# KiCad board EBAZ4205.kicad_pcb (continued)
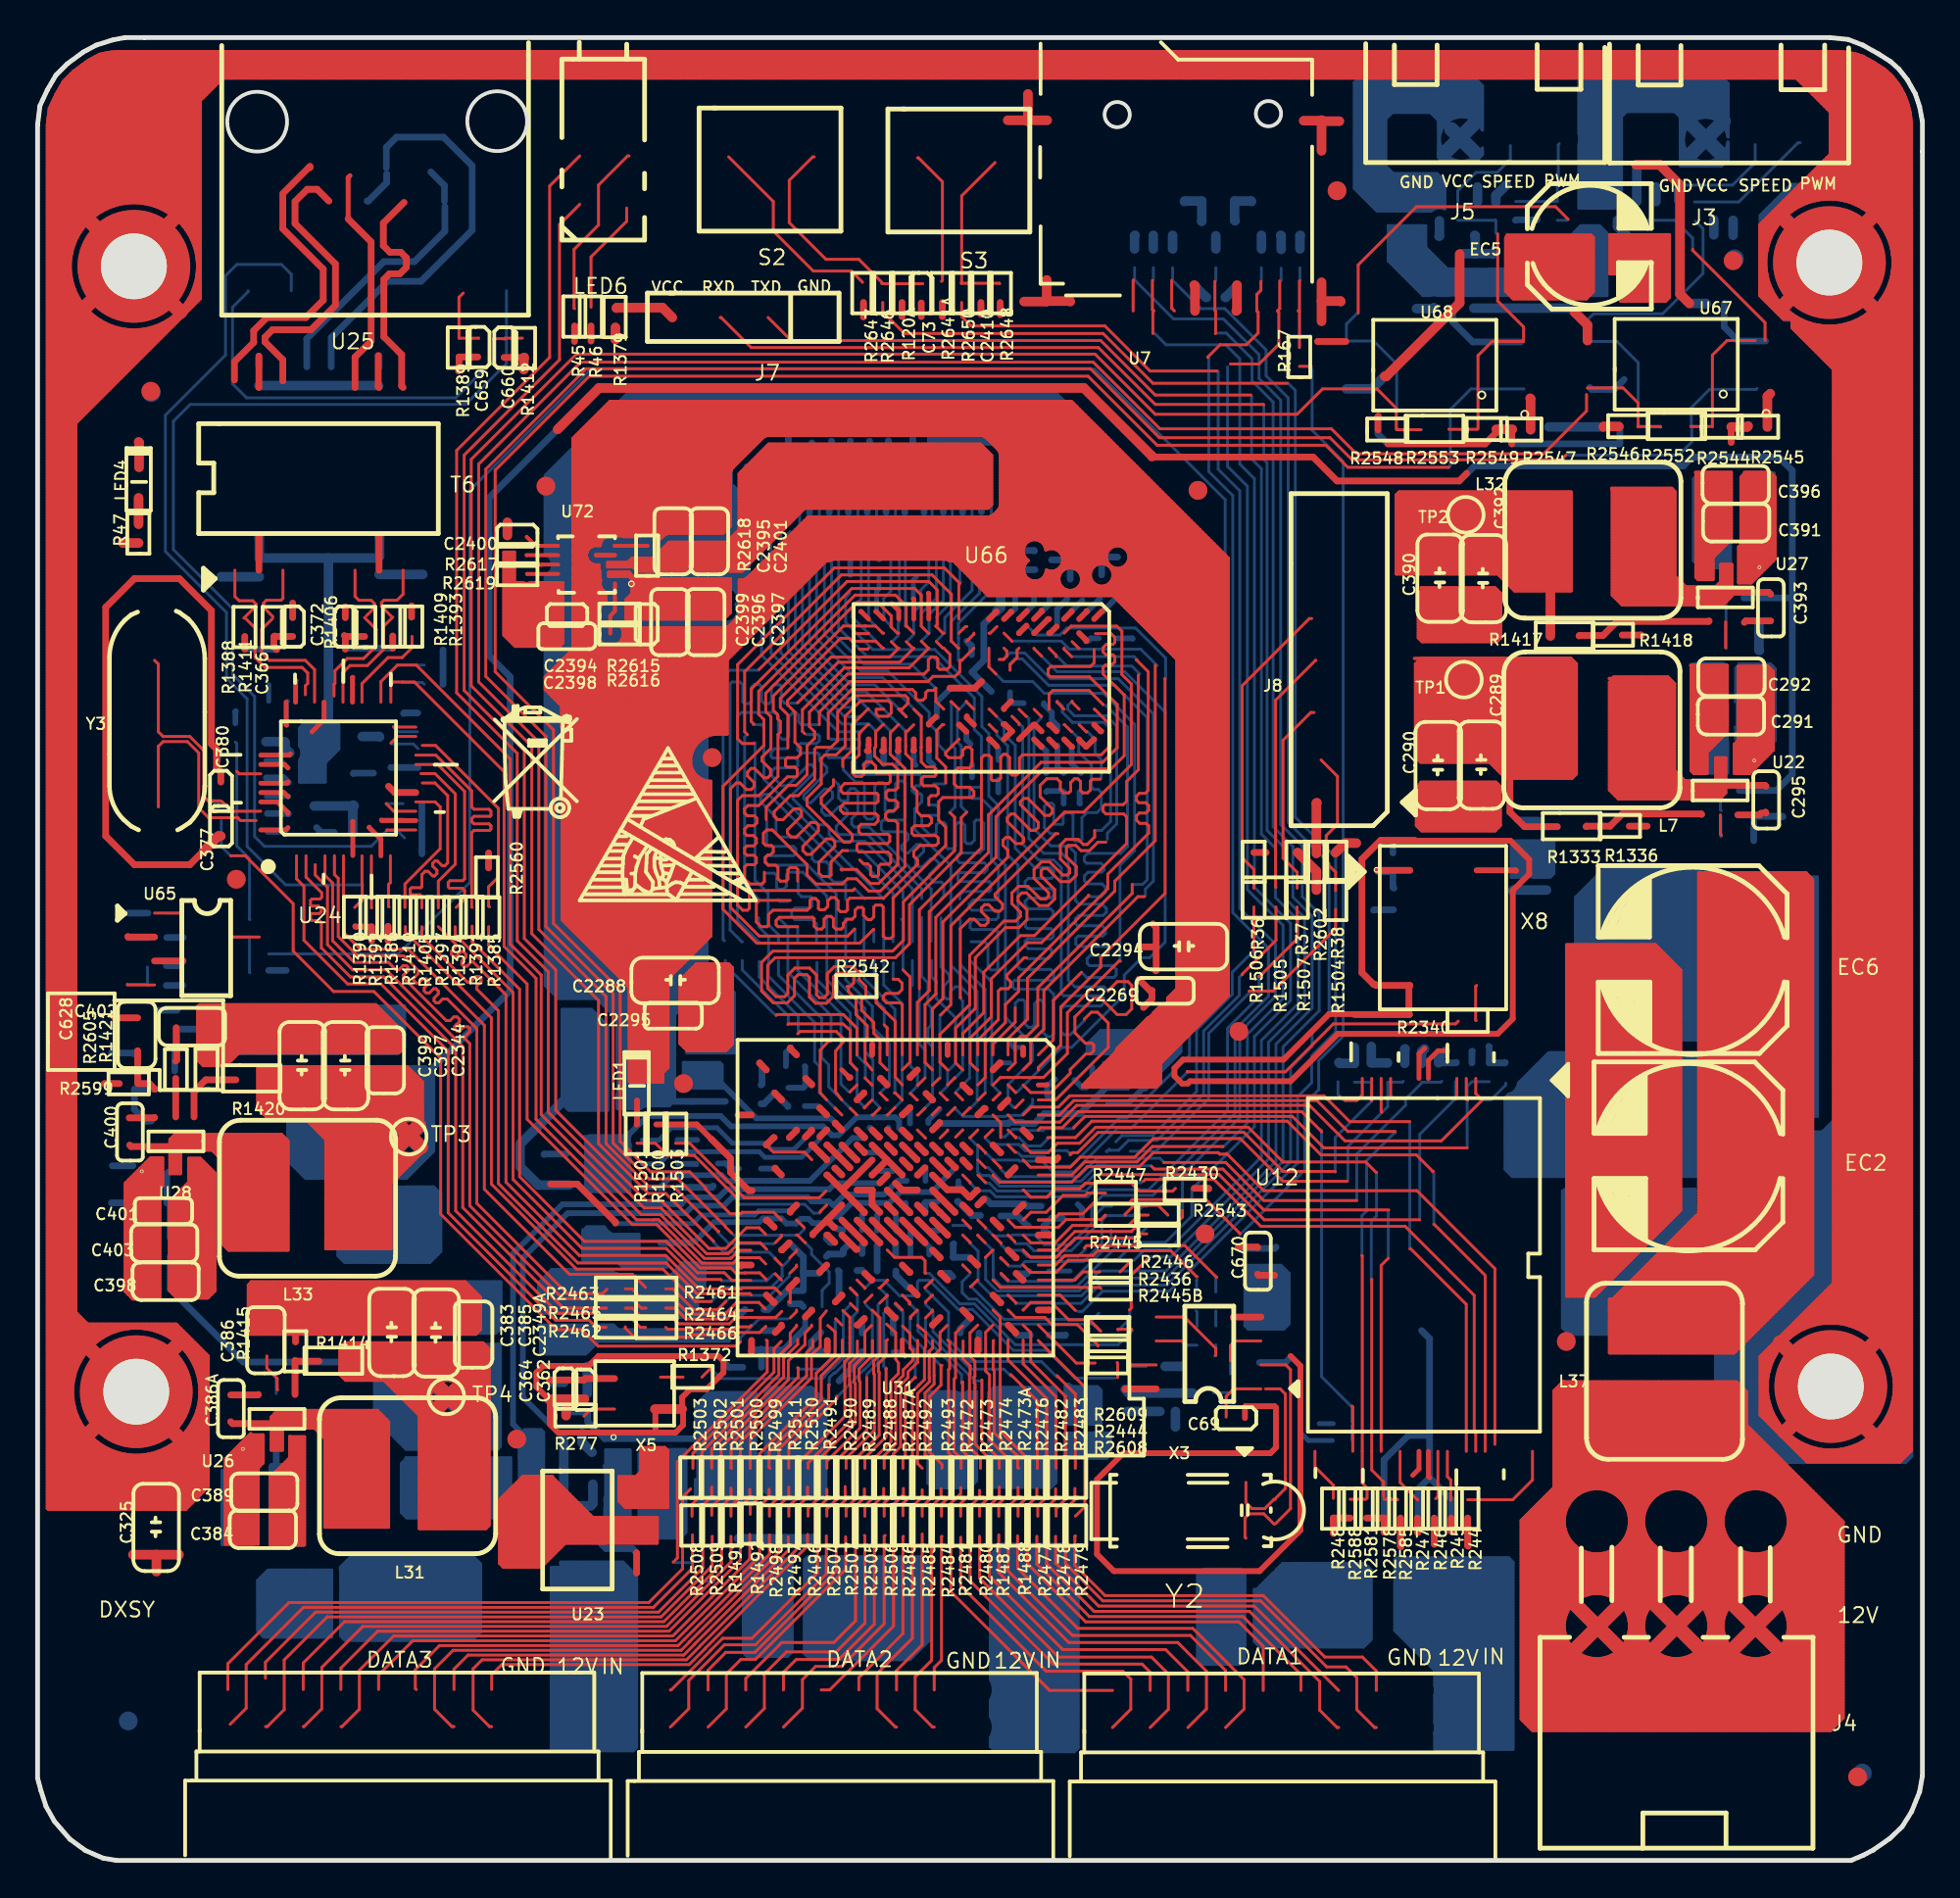
[diagram p0: board, top side]
## Routing (per net, layer and track width the routed paths; a pad name or vN(x,y) marks a point on that pad's centre or on a via; arc(x,y) is an arc through that point) (continued)
; 24.59,19.17 28.61,19.17 ; 18.56,25.45 18.56,27.54 ; 91.71,58.47 91.71,63.56 ; 33,70.38 33.16,70.38 ; 15.3,18.56 18.67,18.56 ; 55.44,67.33 55.44,67.84 ; 81.81,6.92 81.81,11.18 ; 39.13,69.62 52.45,69.62 ; 17.65,28.02 17.65,30.79 ; 88.4,38.83 94.45,38.83 ; 81.38,38.07 87.43,38.07 ; 60.59,63.98 63.36,63.98 ; 87.75,66.83 87.75,67.78 ; 10,19.48 11.72,19.48 ; 54.38,69.66 54.38,77.65 ; 28.49,67.48 30.23,67.48 ; 4.67,30.45 6.5,30.45 ; 81.38,31.36 84.18,31.36 ; 73.38,56.97 77.83,56.97 ; 8.05,36.85 9.16,36.85 ; 28.03,49.96 35.82,49.96 ; 15.21,28.02 15.21,30.79 ; 78.91,83.13 78.91,86.5 ; 90.65,27.39 90.65,52.56 ; 13.23,42.99 13.23,45.54 ; 88.4,40.66 94.45,40.66 ; 30.45,70.52 30.45,77.64 ; 91.56,28.3 91.56,52.56 ; 9.9,36.24 13.32,36.24 ; 81.38,45.23 87.43,45.23 ; 15.35,33.04 18.79,33.04 ; 49.19,75.86 49.19,77.65 ; 88.06,19.57 88.06,25.47 ; 59.86,42.54 59.86,45.56 ; 12.92,16.79 12.92,20.92 ; 31.39,67.18 36.87,67.18 ; 34.19,45.84 36.97,45.84 ; 91.87,14.16 91.87,16.36 ; 24.82,67.64 27.94,67.64 ; 10,21.31 12,21.31 ; 93.09,6.92 93.09,11.94 ; 86.09,32.13 94.45,32.13 ; 83.98,19.48 86.2,19.48 ; 87.45,56.51 87.45,57.66 ; 80.74,6.92 80.74,25.03 ; 15.35,37.16 19.91,37.16 ; 47.21,75.86 47.21,77.65 ; 88.25,68.4 89.15,68.4 ; 60.63,58.95 63.36,58.95 ; 60.63,61.84 63.36,61.84 ; 47.82,75.86 47.82,77.65 ; 19.2,24.81 20.92,24.81 ; 30.45,68.86 30.45,69.08 ; 80.13,57.61 80.13,63.98 ; 17.04,28.02 17.04,30.79 ; 15.35,33.65 18.79,33.65 ; 20.12,23.9 21.37,23.9 ; 57.58,66.99 57.58,68.77 ; 30.23,66.95 30.23,67.49 ; 57.96,69.01 63.36,69.01 ; 20.32,18.87 24.02,18.87 ; 56.36,41.17 56.36,41.99 ; 80.7,21.61 92.48,21.61 ; 80.59,67.58 80.59,72.83 ; 24.82,69.01 25.37,69.01 ; 57.39,67.18 63.36,67.18 ; 28.49,65.5 29.81,65.5 ; 20.7,28.02 20.7,30.79 ; 29.08,16.89 29.08,18.71 ; 34.11,47.5 34.11,65.6 ; 27.89,60.93 36.69,60.93 ; 37.91,68.4 41.18,68.4 ; 51.79,67.33 51.79,77.65 ; 42.95,75.86 42.95,77.65 ; 88.06,66.83 88.06,67.78 ; 85.16,83 85.16,86.53 ; 82.87,6.92 82.87,10.73 ; 13.42,21.61 14.2,21.61 ; 13.53,23.02 13.53,23.94 ; 11.4,16.84 11.4,22.64 ; 85.31,83 85.31,86.53 ; 30.91,16.89 30.91,18.24 ; 34.11,68.63 34.11,70.16 ; 16.89,42.99 16.89,45.54 ; 73.33,62.61 81.88,62.61 ; 4.67,32.13 6.5,32.13 ; 37.35,67.18 39.96,67.18 ; 35.48,59.77 35.48,65.6 ; 92.17,69 92.17,73.88 ; 10.18,16.84 10.18,21.55 ; 38.07,65.29 38.07,68.55 ; 81.38,38.68 87.43,38.68 ; 28.49,69.31 29.23,69.31 ; 31.49,45.08 33.54,45.08 ; 91.71,14.19 91.71,16.33 ; 38.98,70.15 38.98,75.38 ; 26.03,64.63 26.03,67.96 ; 81.38,44.32 87.43,44.32 ; 88.4,43.4 94.45,43.4 ; 5.76,29.89 5.76,37.13 ; 72.31,70.23 81.6,70.23 ; 36.39,43.11 36.39,47.71 ; 88.13,57.88 88.83,57.88 ; 9.9,35.63 13.32,35.63 ; 60.63,52.09 63.36,52.09 ; 83.48,30.67 83.48,48.74 ; 36.92,65.81 38.59,65.81 ; 83.68,86.38 86.83,86.38 ; 46.45,71.98 46.45,75.38 ; 86.23,56.51 86.23,62.98 ; 88.4,52.4 94.27,52.4 ; 16.43,25.57 16.43,27.54 ; 72.82,68.48 72.82,72.83 ; 73.61,57.38 77.6,57.38 77.83,57.16 77.83,55.09 77.55,54.81 73.66,54.81 73.38,55.09 73.38,57.08 73.66,57.36 ; 86.08,27.02 86.08,32.11 ; 17.19,17.74 17.19,23.94 ; 81.38,36.09 87.43,36.09 ; 20.39,39.17 20.39,41.52 ; 88.93,17.8 89.7,17.8 ; 84.11,30.14 93.4,30.14 ; 44.47,75.86 44.47,77.65 ; 31.49,45.99 33.54,45.99 ; 47.67,75.86 47.67,77.65 ; 48.43,69.23 48.43,71.5 ; 88.25,70.84 90.13,70.84 ; 46.15,71.98 46.15,75.38 ; 44.77,71.98 44.77,75.38 ; 31.67,41.44 31.67,65.6 ; 50.44,67.48 63.36,67.48 ; 60.62,63.94 60.62,72.04 ; 8.05,37.16 8.86,37.16 ; 90.53,68.09 91.26,68.09 ; 10,18.56 11.72,18.56 ; 11.72,40.36 20.47,40.36 ; 78.95,7.89 96.08,7.89 ; 60.63,55.75 63.36,55.75 ; 17.95,42.99 17.95,45.54 ; 13.53,39.49 13.53,42.24 ; 86.08,33.26 86.08,48.74 ; 91.1,6.92 91.1,10.76 ; 12.4,18.26 14.2,18.26 ; 92.17,58.93 92.17,63.46 ; 27.92,51.33 35.82,51.33 ; 81.5,57.61 81.5,63.98 ; 4.67,31.06 6.5,31.06 ; 29.38,16.89 29.38,18.4 ; 44.77,75.86 44.77,77.65 ; 73.27,63.98 81.58,63.98 ; 60.63,61.23 63.36,61.23 ; 60.63,46.45 63.36,46.45 ; 90.65,70.84 92.45,70.84 ; 82.87,30.06 82.87,48.74 ; 43.56,71.98 43.56,75.38 ; 59.41,41.17 59.41,45.13 ; 20.32,22.37 24.02,22.37 ; 85.77,83 85.77,86.53 ; 30.6,16.89 30.6,18.24 ; 31.38,46.6 33.54,46.6 ; 84.61,11.86 85.57,11.86 ; 90.65,71.14 92.45,71.14 ; 84.69,12.77 85.48,12.77 ; 32.13,18.79 32.13,21.97 ; 88.29,13.84 90.34,13.84 ; 81.66,57.61 81.66,63.91 ; 28.49,75.26 38.11,75.26 ; 27.92,54.99 35.82,54.99 ; 20.32,19.93 24.02,19.93 ; 91.1,68.01 91.1,73.88 ; 27.92,54.38 35.82,54.38 ; 81.38,31.67 84.48,31.67 ; 27.92,57.88 34.94,57.88 ; 36.39,66.08 36.39,68.21 ; 17.95,28.02 17.95,30.79 ; 13.42,22.07 14.2,22.07 ; 60.63,54.53 63.36,54.53 ; 15.51,42.99 15.51,45.54 ; 83.8,72.66 87.13,72.66 ; 37.23,66.11 38.89,66.11 ; 83.81,10.94 86.37,10.94 ; 81.96,30.04 81.96,48.74 ; 35.17,70.64 35.17,77.65 ; 8.52,44.17 19.37,44.17 ; 84.25,83.48 86.83,83.48 ; 55.4,67.79 63.36,67.79 ; 37.35,66.57 39.35,66.57 ; 73.42,58.64 81.88,58.64 ; 34.19,44.62 36.97,44.62 ; 38.52,69.01 41.79,69.01 ; 85.47,83 85.47,86.53 ; 28.49,75.1 37.95,75.1 ; 60.63,49.19 63.36,49.19 ; 90.95,6.92 90.95,10.8 ; 30.94,19.63 33.52,19.63 ; 6.52,35.79 6.52,37.39 ; 24.59,18.71 29.07,18.71 ; 24.82,66.11 27.94,66.11 ; 32.58,68.63 32.58,69.31 ; 91.1,57.86 91.1,63.56 ; 40.81,71.98 40.81,75.38 ; 60.14,45.84 63.16,45.84 ; 51.01,71.75 60.92,71.75 ; 27.92,56.36 35.82,56.36 ; 48.76,69.16 52.67,69.16 ; 16.73,17.74 16.73,23.94 ; 12.62,16.79 12.62,20.62 ; 83.8,69.62 87.13,69.62 ; 78.95,8.2 96.08,8.2 ; 53,70.31 53,77.65 ; 81.38,37.31 87.43,37.31 ; 31.97,66.08 31.97,68.21 ; 39.59,66.81 39.59,70.08 ; 42.49,75.86 42.49,77.65 ; 10.94,42.99 10.94,45.54 ; 89.3,57.88 89.83,57.88 ; 20.32,18.56 24.02,18.56 ; 87.9,6.92 87.9,10.88 ; 88.9,17.65 89.73,17.65 ; 24.59,15.97 27.14,15.97 ; 26.64,15.62 26.64,20.44 ; 11.35,22.64 12,22.64 12,21.17 11.72,20.89 11.72,16.84 10,16.84 10,21.37 11.35,22.72 ; 19.93,37.18 19.93,37.62 ; 83.8,70.07 87.13,70.07 ; 87.75,56.51 87.75,57.46 ; 92.29,13.99 96.08,13.99 ; 49.98,67.94 54.4,67.94 ; 36.55,43.11 36.55,47.71 ; 81.38,46.6 87.43,46.6 ; 84.4,31.59 84.4,48.74 ; 8.96,42.31 8.96,45.54 ; 15.35,34.26 18.79,34.26 ; 88,63.06 89.9,63.06 ; 13.42,22.22 14.2,22.22 ; 16.89,28.02 16.89,30.79 ; 15.3,22.22 18.67,22.22 ; 7.02,35.02 9.42,35.02 ; 90.95,68.01 90.95,73.88 ; 81.96,6.92 81.96,11.06 ; 86.08,83 86.08,86.53 ; 18.71,32.57 18.71,42.24 ; 88.59,13.53 90.04,13.53 ; 91.1,27.85 91.1,52.56 ; 12.4,20.24 14.2,20.24 ; 90.65,73.27 92.45,73.27 ; 85.48,31.52 94.45,31.52 ; 86.99,34.18 86.99,47.82 ; 30.3,47.69 30.3,64.63 ; 88.21,27.02 88.21,34.25 ; 90.53,68.7 91.87,68.7 ; 86.23,33.42 86.23,48.59 ; 88,62.45 89.9,62.45 ; 88.4,39.9 94.45,39.9 ; 32.89,16.89 32.89,18.24 ; 85.47,12.65 85.47,17.87 ; 50.87,67.33 50.87,71.61 ; 12.4,18.41 14.2,18.41 ; 5.15,29.89 5.15,36.52 ; 84.71,12.62 85.46,12.62 ; 25.16,64.89 27.94,64.89 ; 24.82,68.24 25.37,68.24 ; 28.49,72.36 36.86,72.36 ; 60.63,51.02 63.36,51.02 ; 78.25,67.94 81.6,67.94 ; 40.36,71.52 40.36,75.38 ; 88.25,70.99 90.13,70.99 ; 60.63,53.46 63.36,53.46 ; 80.7,24.35 90.93,24.35 ; 58.3,66.26 63.36,66.26 ; 30.94,19.48 33.52,19.48 ; 34.87,66.08 34.87,68.21 ; 18.87,36.11 18.87,42.24 ; 79.52,67.58 79.52,72.83 ; 29.84,65.58 29.84,66.02 ; 10,20.09 11.72,20.09 ; 81.38,34.26 87.07,34.26 ; 83.8,68.24 87.24,68.24 ; 73.33,61.39 81.88,61.39 ; 77.39,54.81 77.39,57.38 ; 58.19,66.38 58.19,74.48 ; 15.36,42.99 15.36,45.54 ; 81.38,44.93 87.43,44.93 ; 59.37,65.2 63.36,65.2 ; 73.33,60.17 81.88,60.17 ; 12.4,18.11 14.2,18.11 ; 27.92,59.56 35.19,59.56 ; 28.62,16.89 28.62,19.17 ; 31.49,43.71 33.54,43.71 ; 84.25,19.24 84.25,25.47 ; 80.7,19.93 94.16,19.93 ; 90.5,61.69 92.35,61.69 ; 59.71,41.36 59.71,45.43 ; 31.36,68.86 31.36,69.08 ; 7.02,35.17 9.42,35.17 ; 88.25,69.77 89.56,69.77 ; 88,59.41 89.25,59.41 ; 78.46,83.2 78.46,86.5 ; 59.22,65.35 63.36,65.35 ; 15.51,32.57 15.51,42.24 ; 82.57,83.29 82.57,86.5 ; 84.21,11.25 85.96,11.25 ; 81.38,31.82 84.63,31.82 ; 28.49,72.51 36.86,72.51 ; 30.75,70.52 30.75,77.65 ; 4.97,29.99 6.5,29.99 ; 84.09,56.54 84.09,62.98 ; 40.05,70.53 62.13,70.53 ; 83.95,29.99 93.25,29.99 ; 81.38,32.28 85.09,32.28 ; 51.48,67.33 51.48,77.65 ; 88,61.54 89.9,61.54 ; 7.02,33.19 9.42,33.19 ; 60.63,53.16 63.36,53.16 ; 86.68,66.83 86.68,73.03 ; 88.4,47.98 94.45,47.98 ; 37.34,72.66 50.76,72.66 ; 74.95,54.81 74.95,57.38 ; 42.03,75.86 42.03,77.65 ; 88.4,35.33 94.45,35.33 ; 56.05,41.17 56.05,41.69 ; 13.08,28.02 13.08,30.79 ; 90.5,60.17 92.35,60.17 ; 90.3,59.41 92.35,59.41 ; 10,20.39 11.72,20.39 ; 28.51,68.09 29.94,68.09 ; 80.44,83.13 80.44,86.5 ; 32.09,21.97 33.37,21.97 33.52,21.82 33.52,18.79 31.29,18.79 30.94,19.14 30.94,20.42 31.84,20.42 32.12,20.69 32.12,21.92 ; 53.46,70.15 53.46,77.65 ; 90.49,19.52 90.49,25.37 ; 81.38,37.46 87.43,37.46 ; 22.98,28.02 22.98,30.55 ; 80.7,24.96 90.91,24.96 ; 45.69,71.98 45.69,75.38 ; 27.92,53.92 35.82,53.92 ; 36.74,65.65 38.44,65.65 ; 28.32,49.67 28.32,64.28 ; 85.17,31.21 94.45,31.21 ; 81.38,41.27 87.43,41.27 ; 59.56,41.21 59.56,45.28 ; 81.05,67.58 81.05,72.83 ; 73.67,64.89 77.66,64.89 ; 74.34,68.48 74.34,72.83 ; 59.25,41.17 59.25,44.94 ; 4.67,35.33 6.5,35.33 ; 13.99,16.79 13.99,22.54 ; 76.78,54.81 76.78,57.38 ; 90.65,70.23 92.45,70.23 ; 83.79,14.02 83.79,16.51 ; 88.4,49.19 94.45,49.19 ; 79.5,6.98 95.46,6.98 ; 88.4,35.48 94.45,35.48 ; 37.31,68.63 37.31,70.8 ; 38.53,75.67 38.53,77.65 ; 82.11,30.04 82.11,48.74 ; 93.7,6.92 93.7,20.4 ; 88.4,34.56 94.45,34.56 ; 28.49,64.74 30.07,64.74 ; 73.27,68.48 73.27,72.83 ; 15.3,21.92 18.67,21.92 ; 7.02,30.45 9.42,30.45 ; 16.1,26.03 24.02,26.03 ; 83.65,59.1 87.1,59.1 ; 27.92,50.57 35.82,50.57 ; 73.48,65.5 77.85,65.5 ; 73.38,56.81 77.83,56.81 ; 38.33,74.8 50.74,74.8 ; 91.1,19.76 91.1,22.99 ; 39.14,75.86 39.14,77.65 ; 11.22,30.14 23.39,30.14 ; 10.7,22.07 12,22.07 ; 12.01,32.49 12.01,38.64 ; 7.02,32.43 9.42,32.43 ; 90.65,72.05 92.45,72.05 ; 44.93,71.98 44.93,75.38 ; 46.15,69.27 46.15,71.5 ; 15.3,20.7 18.67,20.7 ; 81.38,35.02 87.43,35.02 ; 83.65,60.47 87.1,60.47 ; 32.12,21.61 33.52,21.61 ; 35.17,66.08 35.17,68.21 ; 79.57,18.71 81.36,18.71 ; 7.02,34.72 9.42,34.72 ; 60.63,51.63 63.36,51.63 ; 27.1,64.63 27.1,68.01 ; 29.71,48.28 34.88,48.28 ; 90.49,57.86 90.49,59.6 ; 73.33,61.69 81.88,61.69 ; 29.23,69.64 29.23,76.42 ; 85.92,19.24 85.92,25.47 ; 88.4,36.7 94.45,36.7 ; 32.28,66.08 32.28,68.21 ; 9.9,33.19 13.32,33.19 ; 82.11,19.57 82.11,25.47 ; 60.63,58.8 63.36,58.8 ; 82.42,83.14 82.42,86.5 ; 78.13,86.08 82.78,86.08 ; 7.05,38.07 13.32,38.07 ; 32.58,70.63 32.58,77.65 ; 76.02,54.81 76.02,57.38 ; 31.06,16.89 31.06,18.24 ; 32.13,66.08 32.13,68.21 ; 30.78,47.21 33.82,47.21 ; 5.91,29.89 5.91,37.28 ; 81.38,47.06 87.43,47.06 ; 40.96,71.45 61.22,71.45 ; 21.61,25.55 21.61,27.54 ; 12.47,28.02 12.47,30.79 ; 20.32,19.32 24.02,19.32 ; 58.03,66.53 58.03,69.13 ; 8.52,43.71 19.42,43.71 ; 11.72,40.97 20.47,40.97 ; 72.31,72.66 81.6,72.66 ; 38.07,68.55 41.33,68.55 ; 4.67,32.89 6.5,32.89 ; 74.49,54.81 74.49,57.38 ; 87,33.04 94.45,33.04 ; 83.8,70.84 87.13,70.84 ; 9.27,37.81 9.27,38.64 ; 92.78,6.92 92.78,11.38 ; 51.21,74.95 57.71,74.95 ; 89.89,6.92 89.89,11.66 ; 89.31,67.79 90.15,67.79 ; 51.02,75.2 51.02,77.65 ; 51.24,72.36 60.31,72.36 ; 88.82,13.12 88.82,17.4 ; 50.11,67.81 50.11,71.5 ; 81.38,40.97 87.43,40.97 ; 90.49,27.24 90.49,52.56 ; 10.64,16.84 10.64,22.01 ; 8.66,42.48 8.66,45.54 ; 28.49,73.43 36.86,73.43 ; 31.82,18.79 31.82,20.42 ; 41.57,71.98 41.57,75.38 ; 80.7,22.83 91.27,22.83 ; 10,17.65 11.72,17.65 ; 9.57,42.31 9.57,45.54 ; 88.4,45.99 94.45,45.99 ; 60.63,54.38 63.36,54.38 ; 53.48,68.24 54.34,68.24 ; 83.68,85.01 86.83,85.01 ; 20.3,37.76 20.47,37.76 ; 8.05,37.31 8.7,37.31 ; 22.29,25.42 24.02,25.42 ; 93.02,17.34 96.08,17.34 ; 83.65,27.86 91.12,27.86 ; 19.63,39.37 19.63,42.24 ; 76.93,58.46 76.93,63.98 ; 16.28,28.02 16.28,30.79 ; 54.55,69.31 56.87,69.31 ; 24.82,68.09 25.37,68.09 ; 17.19,42.99 17.19,45.54 ; 31.06,68.36 31.06,68.56 ; 88.4,41.73 94.45,41.73 ; 35.48,70.64 35.48,77.65 ; 42.18,69.22 42.18,71.5 ; 28.62,49.37 28.62,75.81 ; 8.52,45.08 18.45,45.08 ; 89.3,58.03 89.83,58.03 ; 8.5,37.81 8.5,38.64 ; 7.21,38.53 13.08,38.53 ; 24.82,67.33 27.94,67.33 ; 13.38,42.99 13.38,45.54 ; 79.22,57.61 79.22,63.98 ; 84.7,17.8 85.47,17.8 ; 80.28,67.58 80.28,72.83 ; 28.49,65.04 29.83,65.04 ; 13.69,16.79 13.69,22.54 ; 38.37,68.85 41.64,68.85 ; 72.66,68.48 72.66,72.83 ; 84.64,18.56 85.53,18.56 ; 53.16,67.33 53.16,68.1 ; 87.45,19.78 87.45,25.47 ; 24.59,19.02 28.77,19.02 ; 27.92,53.46 35.82,53.46 ; 29.99,16.89 29.99,18.24 ; 74.04,54.81 74.04,57.38 ; 27.92,54.53 35.82,54.53 ; 78.95,13.69 81.72,13.69 ; 88,60.47 89.9,60.47 ; 31.67,68.86 31.67,69.31 ; 78.95,15.21 96.08,15.21 ; 91.56,58.32 91.56,63.56 ; 19.87,37.61 20.37,37.61 ; 88.72,17.19 89.91,17.19 ; 5.79,37.16 6.65,37.16 ; 83.8,69.77 87.13,69.77 ; 81.38,31.97 84.79,31.97 ; 7.05,37 7.6,37 ; 81.38,37.92 87.43,37.92 ; 32.12,20.85 33.52,20.85 ; 83.8,71.75 87.13,71.75 ; 21.76,17.67 21.76,23.79 ; 19.78,39.39 19.78,42.13 ; 93.17,18.11 95.99,18.11 ; 20.32,19.02 24.02,19.02 ; 12.62,42.99 12.62,45.54 ; 51.24,72.18 51.24,74.78 ; 51.24,72.82 59.85,72.82 ; 90.65,68.01 90.65,70.03 ; 9.8,37.31 13.32,37.31 ; 36.55,70.72 36.55,77.65 ; 40.51,71.67 40.51,75.38 ; 88,59.71 89.55,59.71 ; 37.34,71.14 39.97,71.14 ; 15.35,38.22 18.95,38.22 ; 83.8,67.94 87.54,67.94 ; 28.52,69.46 29.2,69.46 ; 73.48,65.35 77.85,65.35 ; 93.24,29.98 93.24,52.56 ; 36.89,70.38 39.21,70.38 ; 84.55,83 84.55,86.53 ; 52.55,67.33 52.55,68.39 ; 46.3,71.98 46.3,75.38 ; 42.18,75.86 42.18,77.65 ; 30.3,70.49 30.3,77.48 ; 32.74,16.89 32.74,18.24 ; 29.69,16.89 29.69,18.24 ; 41.12,75.86 41.12,77.65 ; 28.64,49.35 35.82,49.35 ; 81.66,6.92 81.66,11.33 ; 78.13,83.64 82.78,83.64 ; 15.06,42.99 15.06,45.54 ; 27.92,52.85 35.82,52.85 ; 15.3,18.87 18.67,18.87 ; 36.7,63.92 36.7,65.64 ; 22.64,24.96 24.02,24.96 ; 19.78,28.02 19.78,30.79 ; 31.49,44.17 33.54,44.17 ; 36.09,59.96 36.09,65.6 ; 20.32,19.17 24.02,19.17 ; 90.5,62.15 92.35,62.15 ; 27.92,60.02 36.69,60.02 ; 83.64,6.92 83.64,10.86 ; 31.67,16.89 31.67,18.24 ; 38.22,65.44 38.22,68.71 ; 5.46,29.89 5.46,36.82 ; 28.49,69.14 28.49,69.31 ; 60.63,48.28 63.36,48.28 ; 37.46,74.61 37.46,77.65 ; 60.47,43.15 60.47,46.23 ; 86.99,19.78 86.99,25.47 ; 73.38,56.05 77.83,56.05 ; 80.83,25.12 90.75,25.12 ; 11.22,28.77 23.57,28.77 ; 30.75,47.24 30.75,64.66 ; 47.37,71.98 47.37,75.38 ; 81.38,36.85 87.43,36.85 ; 9.42,42.31 9.42,45.54 ; 90.34,27.08 90.34,52.56 ; 9.9,37 13.32,37 ; 92.32,69.15 92.32,73.76 ; 11.86,28.02 11.86,30.79 ; 4.82,30.14 6.5,30.14 ; 88.94,12.47 89.68,12.47 ; 88,62.76 89.9,62.76 ; 28.49,73.88 36.86,73.88 ; 34.19,45.99 36.97,45.99 ; 9.9,35.17 13.32,35.17 ; 81.81,19.35 81.81,25.47 ; 31.49,45.23 33.54,45.23 ; 88.4,44.62 94.45,44.62 ; 16.73,28.02 16.73,30.79 ; 11.22,29.38 23.57,29.38 ; 57.12,68.78 57.12,68.88 ; 60.63,62.15 63.36,62.15 ; 93.16,12.62 96.08,12.62 ; 75.25,68.48 75.25,72.83 ; 78.95,15.97 96.08,15.97 ; 27.92,50.26 35.82,50.26 ; 31.32,66.87 36.87,66.87 ; 18.1,28.02 18.1,30.79 ; 82.57,30.04 82.57,48.74 ; 24.82,68.7 25.37,68.7 ; 10.79,42.99 10.79,45.54 ; 84.09,67.07 84.09,73.03 ; 25.81,68.01 25.37,68.01 25.37,69.63 24.82,69.63 ; 50.57,71.99 50.57,74.98 ; 13.31,21.31 14.2,21.31 ; 73.33,62.91 81.88,62.91 ; 10.39,21.76 12,21.76 ; 89.58,68.24 90.15,68.24 ; 34.26,47.66 34.26,65.6 ; 4.67,30.75 6.5,30.75 ; 79.98,6.92 79.98,19.12 ; 81.38,38.53 87.43,38.53 ; 23.29,17.67 23.29,27.54 ; 28.49,65.35 29.78,65.35 ; 32.13,41.44 32.13,65.6 ; 7.02,30.75 9.42,30.75 ; 81.38,33.5 86.31,33.5 ; 21.46,25.5 21.46,27.54 ; 15.35,37.61 19.73,37.61 ; 11.86,39.9 20.47,39.9 ; 27.51,61.84 36.69,61.84 ; 88.4,35.17 94.45,35.17 ; 28.49,71.14 36.86,71.14 ; 22.37,17.67 22.37,23.99 ; 4.67,32.74 6.5,32.74 ; 60.14,45.69 63.01,45.69 ; 78.95,16.73 81.83,16.73 ; 83.18,6.92 83.18,10.74 ; 15.67,32.57 15.67,42.24 ; 8.52,44.62 18.91,44.62 ; 37.34,73.58 50.76,73.58 ; 30.75,68.36 30.75,68.56 ; 27.92,50.87 35.82,50.87 ; 88.79,17.34 89.83,17.34 ; 83.8,72.82 87.13,72.82 ; 81.5,83.13 81.5,86.5 ; 32.83,70.53 33.31,70.53 ; 20.32,19.48 24.02,19.48 ; 73.38,56.36 77.83,56.36 ; 12.16,28.02 12.16,30.79 ; 42.34,71.98 42.34,75.38 ; 34.26,68.63 34.26,70.16 ; 84.4,66.83 84.4,73.03 ; 14.29,39.44 20.47,39.44 ; 58.19,41.17 58.19,43.94 ; 88.97,56.51 88.97,57.46 ; 27.92,52.55 35.82,52.55 ; 15.3,20.24 18.67,20.24 ; 29.99,48 29.99,64.8 ; 27.81,61.54 36.69,61.54 ; 41.12,68.33 41.12,71.5 ; 12.4,19.63 14.2,19.63 ; 28.49,67.18 30.23,67.18 ; 37.35,67.64 40.42,67.64 ; 26.49,15.62 26.49,20.44 ; 8.52,44.32 19.21,44.32 ; 14.14,28.02 14.14,30.79 ; 13.23,39.49 13.23,42.24 ; 18.71,25.3 18.71,27.54 ; 80.7,24.51 90.93,24.51 ; 19.63,36.87 19.63,37.63 ; 42.03,69.18 42.03,71.5 ; 27.92,57.42 35.82,57.42 ; 84.23,13.69 85.94,13.69 ; 72.31,72.21 81.6,72.21 ; 12.45,22.52 13.02,22.52 ; 49.22,68.7 52.47,68.7 ; 33.19,66.08 33.19,68.21 ; 32.89,41.44 32.89,65.6 ; 20.32,23.59 24.02,23.59 ; 78.09,68.09 81.6,68.09 ; 88.4,35.78 94.45,35.78 ; 25.88,64.63 25.88,67.98 ; 28.49,71.75 36.86,71.75 ; 8.05,36.7 9.31,36.7 ; 92.49,11.09 96.08,11.09 ; 93.17,12.47 96.08,12.47 ; 54.83,68.8 54.83,77.65 ; 78,57.74 78,63.98 ; 21.76,25.56 21.76,27.54 ; 92.99,11.7 96.08,11.7 ; 16.58,32.57 16.58,42.24 ; 94.15,6.92 94.15,19.94 ; 48.13,71.98 48.13,75.38 ; 86.38,66.83 86.38,73.03 ; 25.79,20.39 27.4,20.39 ; 39.59,70.76 39.59,75.38 ; 37.61,74.76 37.61,77.65 ; 27.92,58.49 34.74,58.49 ; 60.63,60.47 63.36,60.47 ; 78.95,9.72 96.08,9.72 ; 88.25,72.82 90.13,72.82 ; 15.35,38.07 19.02,38.07 ; 90.5,59.71 92.35,59.71 ; 27.89,60.47 36.69,60.47 ; 78.3,83.35 78.3,86.5 ; 81.38,43.1 87.43,43.1 ; 73.48,65.96 77.85,65.96 ; 39.59,70.07 52.57,70.07 ; 20.32,18.11 24.02,18.11 ; 15.35,35.48 18.79,35.48 ; 77.39,68.48 77.39,72.83 ; 10.48,42.78 10.48,45.54 ; 88.25,70.23 90.02,70.23 ; 84.25,27.02 84.25,30.28 ; 36.73,70.23 39.06,70.23 ; 4.69,30.27 4.69,36.06 ; 53.92,67.33 53.92,68.62 ; 60.63,48.13 63.36,48.13 ; 78.01,57.73 81.77,57.73 ; 49.65,68.27 49.65,71.5 ; 57.88,69.83 57.88,74.78 ; 44.01,69.27 44.01,71.5 ; 43.1,69.27 43.1,71.5 ; 88.82,56.51 88.82,57.46 ; 16.1,26.33 24.02,26.33 ; 45.23,75.86 45.23,77.65 ; 34.19,46.15 36.97,46.15 ; 36.24,68.63 36.24,70.16 ; 84.71,18.26 85.47,18.26 ; 60.78,43.46 60.78,71.89 ; 81.38,43.71 87.43,43.71 ; 86.68,6.92 86.68,10.81 ; 73.48,66.42 77.85,66.42 ; 19.48,24.54 19.48,27.54 ; 76.63,54.81 76.63,57.38 ; 86.84,6.92 86.84,10.77 ; 29.08,48.91 29.08,76.27 ; 60.63,50.57 63.36,50.57 ; 72.31,70.53 81.6,70.53 ; 7.02,31.52 9.42,31.52 ; 88,59.1 88.94,59.1 ; 12.4,19.32 14.2,19.32 ; 27.92,57.73 35.08,57.73 ; 12.31,39.49 12.31,42.24 ; 92.85,17.04 96.08,17.04 ; 81.96,13.89 81.96,16.63 ; 83.94,67.22 83.94,73.03 ; 83.65,29.54 92.79,29.54 ; 81.38,42.95 87.43,42.95 ; 29.84,66.58 29.84,68.95 ; 20.32,21.76 24.02,21.76 ; 7.07,30.3 9.4,30.3 ; 51.24,72.97 59.7,72.97 ; 47.98,71.98 47.98,75.38 ; 80.59,57.61 80.59,63.98 ; 80.7,22.52 91.57,22.52 ; 50.28,67.64 54.72,67.64 ; 15.97,42.99 15.97,45.54 ; 42.34,69.27 42.34,71.5 ; 31.52,68.31 31.52,68.51 ; 26.64,64.63 26.64,68.01 ; 78.95,8.81 96.08,8.81 ; 11.7,42.99 11.7,45.54 ; 73.73,58.46 73.73,63.98 ; 73.63,54.83 77.58,54.83 ; 11.72,41.27 20.47,41.27 ; 8.52,42.79 10.5,42.79 ; 50.5,75.72 51.1,75.12 ; 27.92,60.17 36.69,60.17 ; 12.4,19.48 14.2,19.48 ; 88.25,70.53 90.13,70.53 ; 20.32,20.09 24.02,20.09 ; 77.08,54.81 77.08,57.38 ; 90.5,60.62 92.35,60.62 ; 81.38,36.24 87.43,36.24 ; 17.5,28.02 17.5,30.79 ; 58.03,69.62 58.03,74.63 ; 78.95,13.99 82.11,13.99 ; 15.3,21.15 18.67,21.15 ; 28.77,16.89 28.77,19.01 ; 22.46,25.27 24.02,25.27 ; 7.05,36.7 7.6,36.7 ; 54.22,67.33 54.22,68.68 ; 73.43,68.48 73.43,72.83 ; 90.8,68.01 90.8,73.75 ; 54.53,69.42 54.53,77.65 ; 59.86,64.7 59.86,72.8 ; 11.72,41.42 20.47,41.42 ; 80.59,6.92 80.59,19.73 ; 89.28,66.83 89.28,67.78 ; 89.58,66.83 89.58,68.98 ; 90.8,6.92 90.8,10.85 ; 32.28,68.63 32.28,69.31 ; 12.92,39.49 12.92,42.24 ; 88.4,50.72 94.45,50.72 ; 16.12,25.84 16.12,27.3 ; 75.1,64.88 75.1,67.73 ; 27.4,16.23 27.4,20.39 ; 81.38,47.21 87.43,47.21 ; 4.87,36.24 6.65,36.24 ; 28.49,70.53 32.07,70.53 ; 78.95,14.6 96.08,14.6 ; 15.3,17.8 18.67,17.8 ; 42.64,69.27 42.64,71.5 ; 82.72,83.45 82.72,86.43 ; 73.53,67.48 77.8,67.48 ; 29.84,70 29.84,77.03 ; 15.67,28.02 15.67,30.79 ; 85.77,56.51 85.77,62.98 ; 89.73,56.74 89.73,58.68 ; 30.94,20.24 33.52,20.24 ; 31.82,41.44 31.82,65.6 ; 12.4,19.93 14.2,19.93 ; 90.8,14.1 90.8,16.42 ; 35.33,68.63 35.33,70.16 ; 88.06,13.99 88.06,16.53 ; 37.07,65.96 38.74,65.96 ; 93.06,13.08 96.08,13.08 ; 88,63.37 89.9,63.37 ; 18.41,32.57 18.41,42.24 ; 18.9,25.12 21.03,25.12 ; 24.59,18.56 29.22,18.56 ; 33.95,70.64 33.95,77.65 ; 4.67,33.19 6.5,33.19 ; 81.35,67.58 81.35,72.83 ; 60.63,56.05 63.36,56.05 ; 36.86,65.74 37.21,66.09 ; 90.65,19.61 90.65,25.22 ; 34.41,70.64 34.41,77.65 ; 91.1,14.19 91.1,16.34 ; 13.84,16.79 13.84,22.54 ; 19.66,24.35 20.97,24.35 ; 56.66,69.03 56.66,76 ; 40.81,75.86 40.81,77.65 ; 48.58,69.18 48.58,71.5 ; 12.45,21.92 13.02,21.92 ; 9.88,37.24 9.88,38.64 ; 84.4,19.06 84.4,25.47 ; 8.8,42.34 10.05,42.34 ; 23.44,17.67 23.44,27.54 ; 87.76,33.8 94.45,33.8 ; 51.24,72.21 60.46,72.21 ; 14.9,38.83 18.97,38.83 ; 78.13,83.94 82.78,83.94 ; 90.54,69.92 92.45,69.92 ; 86.53,66.83 86.53,73.03 ; 4.67,35.94 6.65,35.94 ; 32.43,16.89 32.43,18.24 ; 35.17,68.63 35.17,70.16 ; 34.19,45.69 36.97,45.69 ; 80.44,6.92 80.44,19.58 ; 88.25,71.29 90.13,71.29 ; 88.4,52.55 94.11,52.55 ; 78.95,17.19 81.46,17.19 ; 85.62,83 85.62,86.53 ; 8.52,43.86 19.42,43.86 ; 88.25,68.85 89.15,68.85 ; 63.22,45.89 63.22,69.45 ; 31.32,66.11 36.54,66.11 ; 88.4,42.49 94.45,42.49 ; 86.68,33.87 86.68,48.13 ; 36.09,66.08 36.09,68.21 ; 50.97,75.26 57.41,75.26 ; 60.63,49.04 63.36,49.04 ; 78.13,84.09 82.78,84.09 ; 57.23,68.4 63.36,68.4 ; 15.35,36.7 19.45,36.7 ; 14.9,28.02 14.9,30.79 ; 60.63,63.22 63.36,63.22 ; 89.12,27.02 89.12,52.56 ; 87.15,33.19 94.45,33.19 ; 83.65,61.08 87.1,61.08 ; 92.92,13.38 96.08,13.38 ; 60.63,46.6 63.36,46.6 ; 80.7,22.22 91.87,22.22 ; 56.81,69.01 56.99,69.01 ; 56.85,42.49 59.81,42.49 ; 79.06,67.58 79.06,72.83 ; 60.63,53.61 63.36,53.61 ; 41.42,71.98 41.42,75.38 ; 83.65,29.38 92.64,29.38 ; 27.71,63.67 36.69,63.67 ; 32.28,70.62 32.28,77.65 ; 10.03,32.64 10.03,38.64 ; 41.88,75.86 41.88,77.65 ; 27.25,63.22 36.69,63.22 ; 76.17,68.48 76.17,72.83 ; 86.08,66.83 86.08,73.03 ; 50.57,67.35 50.57,71.5 ; 26.33,15.62 26.33,20.44 ; 88,58.19 88.83,58.19 ; 81.38,45.69 87.43,45.69 ; 31.21,68.86 31.21,69.08 ; 27.92,55.75 35.82,55.75 ; 50.51,75.71 56.95,75.71 ; 39.9,71.06 39.9,75.38 ; 89.58,69.79 89.58,73.88 ; 9.72,37.39 9.72,38.64 ; 37.34,72.36 50.76,72.36 ; 28.01,49.98 28.01,63.98 ; 18.41,28.02 18.41,30.79 ; 81.38,33.19 86,33.19 ; 79.83,67.58 79.83,72.83 ; 72.31,69.46 81.6,69.46 ; 8.52,44.78 18.76,44.78 ; 77.54,58.2 77.54,63.98 ; 86.99,27.02 86.99,33.03 ; 39.75,75.86 39.75,77.65 ; 88.94,17.95 89.68,17.95 ; 60.01,64.55 60.01,72.65 ; 81.38,33.35 86.16,33.35 ; 91.56,6.92 91.56,10.74 ; 79.52,83.13 79.52,86.5 ; 60.17,64.4 60.17,72.5 ; 88.51,13.62 88.51,16.9 ; 24.96,15.62 24.96,19.56 ; 17.65,25.57 17.65,27.54 ; 86.38,6.92 86.38,10.94 ; 83.33,14.18 83.33,16.34 ; 32.43,68.63 32.43,69.31 ; 74.65,68.48 74.65,72.83 ; 28.49,73.58 36.86,73.58 ; 84.7,12.7 84.7,17.82 ; 27.92,58.19 34.79,58.19 ; 30.35,77.54 55.12,77.54 ; 80.28,57.61 80.28,63.98 ; 16.23,27.4 23.83,27.4 ; 79.67,83.13 79.67,86.5 ; 44.47,71.98 44.47,75.38 ; 15.3,19.17 18.67,19.17 ; 11.25,28.02 11.25,30.65 ; 73.33,60.02 81.88,60.02 ; 81.38,33.04 85.85,33.04 ; 18.26,17.74 18.26,23.76 ; 88.25,71.45 90.13,71.45 ; 60.63,56.66 63.36,56.66 ; 88.4,46.15 94.45,46.15 ; 11.86,42.99 11.86,45.54 ; 87.45,66.83 87.45,68.04 ; 82.57,19.75 82.57,25.47 ; 90.65,72.66 92.45,72.66 ; 89.12,66.83 89.12,67.78 ; 24.81,15.62 24.81,19.41 ; 43.25,71.98 43.25,75.38 ; 20.32,21.31 24.02,21.31 ; 83.8,71.45 87.13,71.45 ; 81.38,47.98 86.84,47.98 ; 15.36,28.02 15.36,30.79 ; 89.3,57.73 89.83,57.73 ; 83.65,27.1 90.36,27.1 ; 30.6,47.39 30.6,64.62 ; 92.26,10.94 96.08,10.94 ; 88.4,52.24 94.42,52.24 ; 21.46,17.67 21.46,23.85 ; 90.95,27.69 90.95,52.56 ; 37.34,72.51 50.76,72.51 ; 27.92,59.25 34.95,59.25 ; 81.38,36.7 87.43,36.7 ; 83.65,28.32 91.58,28.32 ; 34.56,70.64 34.56,77.65 ; 80.7,20.09 94.01,20.09 ; 92.63,13.74 92.63,16.79 ; 8.52,43.25 19.42,43.25 ; 8.52,45.23 18.3,45.23 ; 31.22,18.87 33.52,18.87 ; 73.33,58.8 81.88,58.8 ; 27.89,60.78 36.69,60.78 ; 88.4,38.07 94.45,38.07 ; 48.43,75.86 48.43,77.65 ; 60.32,43 60.32,46.07 ; 81.38,48.13 86.69,48.13 ; 5.3,29.89 5.3,36.67 ; 8.66,29.94 8.66,37.36 ; 83.65,62.15 87.1,62.15 ; 83.18,19.78 83.18,25.47 ; 60.63,57.27 63.36,57.27 ; 89.58,68.85 90.15,68.85 ; 20.39,17.67 20.39,27.54 ; 36.55,68.63 36.55,70.16 ; 60.63,51.94 63.36,51.94 ; 35.17,59.54 35.17,65.6 ; 78.95,9.88 96.08,9.88 ; 16.73,32.57 16.73,42.24 ; 20.24,28.02 20.24,30.79 ; 11.22,30.6 22.93,30.6 ; 28.49,74.65 37.5,74.65 ; 12.4,19.17 14.2,19.17 ; 83.68,84.86 86.83,84.86 ; 91.56,19.79 91.56,22.53 ; 37.31,74.45 37.31,77.65 ; 20.24,23.77 20.24,27.54 ; 88.4,38.68 94.45,38.68 ; 30.75,68.86 30.75,69.08 ; 15.35,37.31 20.06,37.31 ; 33.5,18.79 33.5,21.84 ; 60.01,42.69 60.01,45.56 ; 49.96,75.86 49.96,77.65 ; 50.87,75.35 50.87,77.65 ; 60.55,46.3 63.36,46.3 ; 17.5,17.74 17.5,23.94 ; 90.04,70.24 90.04,73.88 ; 60.63,50.26 63.36,50.26 ; 31.47,68.56 31.82,68.21 36.87,68.21 36.87,66.43 36.52,66.08 31.32,66.08 31.32,67.11 31.64,67.43 31.64,68.18 31.47,68.36 30.39,68.36 30.39,68.56 31.47,68.56 ; 72.31,68.48 72.31,72.68 72.46,72.83 81.6,72.83 81.6,67.58 78.6,67.58 77.7,68.48 72.31,68.48 ; 12.45,21.84 12.45,23.59 12.8,23.94 18.07,23.94 18.67,23.34 18.67,17.74 15.3,17.74 15.3,22.47 14.75,23.02 13.02,23.02 13.02,21.84 12.45,21.84 ; 90.15,67.31 90.15,68.98 89.58,68.98 89.58,68.06 89.3,67.78 87.7,67.78 87.13,68.36 87.13,72.86 86.95,73.03 83.78,73.03 83.8,72.91 83.8,67.36 84.33,66.83 89.68,66.83 90.15,67.31 ; 9.42,30.32 9.42,36.59 8.65,37.36 8.05,37.36 8.05,36.09 7.15,35.19 7.02,35.22 7.02,30.34 7.42,29.94 9.05,29.94 9.42,30.32 ; 78.13,83.53 78.13,86.33 78.2,86.5 82.65,86.5 82.78,86.38 82.78,83.5 82.4,83.13 78.53,83.13 78.13,83.53 ; 7.05,36.56 7.6,36.56 7.6,37.81 9.3,37.81 9.9,37.21 9.9,32.77 10.17,32.49 13.32,32.49 13.32,38.29 12.97,38.64 7.32,38.64 7.05,38.36 7.05,36.56 ; 4.67,30.29 5.07,29.89 6.5,29.89 6.5,35.77 6.65,35.92 6.65,37.39 6.02,37.39 4.67,36.04 4.67,30.29 ; 33.62,70.16 36.67,70.16 37.34,70.83 37.34,73.81 38.91,75.38 50.16,75.38 50.76,74.78 50.76,72.18 50.56,71.98 40.81,71.98 37.47,68.63 31.92,68.63 31.69,68.86 30.34,68.86 30.34,69.08 31.42,69.08 31.64,69.31 32.77,69.31 33.62,70.16 ; 77.65,64.88 77.85,65.08 77.85,67.43 77.55,67.73 73.63,67.73 73.66,67.61 73.48,67.43 73.48,65.08 73.68,64.88 77.65,64.88 ; 94.1,52.56 94.45,52.21 94.45,31.19 90.28,27.02 83.65,27.02 83.65,29.87 83.83,29.87 88.4,34.44 88.4,52.56 94.1,52.56 ; 87.43,34.62 87.43,47.39 86.08,48.74 81.38,48.74 81.38,30.04 82.85,30.04 87.43,34.62 ; 88,58.01 88.15,57.86 88.83,57.86 88.83,58.98 89.9,60.06 89.9,63.61 87.98,63.61 88,63.51 88,58.01 ; 8.65,45.54 18,45.54 19.42,44.11 19.42,43.19 19.22,42.99 10.7,42.99 10.02,42.31 8.82,42.31 8.52,42.61 8.52,45.46 8.65,45.54 ; 23.57,28.27 23.57,29.97 22.74,30.79 11.37,30.79 11.22,30.62 11.22,28.02 23.32,28.02 23.57,28.27
  Top w0.203: 30.7,69.98 32.45,69.98 ; 26.8,68.95 26.83,68.98 27.7,68.98 ; 26.03,70.45 26.5,69.98 27.7,69.98 ; 30.73,67.98 30.73,66.5 30.48,66.25 30.48,65.3 ; 26.05,68.48 27.7,68.48 ; 26.03,69.48 27.7,69.48
  Top w0.254: 11.88,58.83 13.38,58.83 13.45,58.9 ; 11.88,54.85 13.2,54.85 13.33,54.98 ; 74.08,20.38 74.01,20.44 74.01,21.78 ; 44.6,66.48 44.63,66.48 45.03,66.08 ; 13.73,61.65 13.73,62.78 13.75,62.8 ; 47.4,67.45 47.43,67.42 47.43,66.08 ; 16.76,55.28 16.78,55.3 16.78,53.49 ; 73.18,20.5 73.51,20.84 73.51,21.78 ; 13.33,57.4 13.26,57.34 11.88,57.34 ; 16.78,62.98 16.76,62.96 16.76,61.65 ; 53.25,41.28 53.7,41.28 53.72,41.3 ; 73.8,43.23 73.51,42.94 73.51,41.62 ; 11.88,56.34 12.76,56.34 13.33,55.78 13.33,55.73 ; 20.12,55.35 18.33,55.35 18.3,55.38 ; 11.88,58.33 13.14,58.33 13.33,58.15 ; 46.6,67.15 46.63,67.12 46.63,66.08 ; 13.25,60.42 13.23,60.45 13.23,61.65 ; 29.73,69.48 30.7,69.48 ; 41.99,27.7 42.03,27.67 ; 16.62,89.67 16.53,89.58 16.53,87.38 ; 11.88,56.84 13.11,56.84 13.33,56.63 ; 42.79,42.08 43.19,41.68 ; 46.15,26.85 46.01,26.99 46.01,27.7 ; 14.6,60.08 15.24,60.72 15.24,61.65 ; 43.8,66.48 43.83,66.48 44.23,66.08 ; 17.65,55 17.65,54.98 18.27,54.35 18.27,53.48 ; 45.45,66.9 45.83,66.52 45.83,66.08 ; 74.01,41.62 74.01,42.59 74.53,43.1 74.97,43.1
  Top w0.305: 35.85,38.4 35.08,39.18 32.93,39.18 ; 44.13,59.05 44.2,59.05 44.2,59.05 44.22,59.07 44.22,59.36 44.23,59.37 44.23,59.67 ; 31.9,40.45 31.9,39.2 31.88,39.18 ; 48.43,42.88 48.43,43.42 48.43,43.43 ; 50.63,59.67 50.68,59.67 51.05,59.3 ; 45.83,59.67 45.8,59.65 45.8,59.05 45.8,59.05 45.78,59.05 ; 51.8,66.48 51.8,66.45 51.43,66.08 ; 44.43,43.43 44.41,43.41 44.41,42.88 ; 54.62,59.67 55.03,59.28 55.05,59.28 ; 66.68,26.85 67.2,26.33 67.2,17.58 65.03,15.4 57.28,15.4 56.38,16.3 56.38,20.28 57.78,21.68 65.6,21.68 65.9,21.98 65.9,24.1 65.83,24.18 64.28,24.18 64.25,24.15 64.25,23.55 ; 16.9,49.73 16.93,49.7 17.78,49.7 ; 56.22,66.08 56.65,66.5 ; 47.43,59.08 47.43,59.67 ; 56.22,60.45 56.58,60.1 56.6,60.1 ; 51.8,61.7 51.43,61.33 51.43,61.28 ; 49.45,60.9 49.45,60.83 49.83,60.45 ; 55.83,66.5 55.83,66.48 55.43,66.08 ; 55.43,59.67 55.43,59.65 55.8,59.28 56.2,59.67 56.22,59.67 ; 47.8,60.88 47.43,60.5 47.43,60.45 ; 54.22,60.1 53.88,60.45 53.83,60.45 ; 49.03,60.45 49.05,60.45 49.43,60.08 ; 32.88,22.78 32.88,23.85 ; 55.03,66.5 55.03,66.48 54.62,66.08 ; 53.03,65.33 53.78,66.08 53.83,66.08 ; 78.68,52.68 78.65,52.7 76.58,52.7 ; 50.63,66.08 51.03,66.47 ; 52.23,66.08 52.65,66.5 ; 55.8,64.9 55.8,64.95 55.43,65.33 ; 54.22,65.67 53.88,65.33 53.83,65.33 ; 53.43,66.53 53.43,66.47 53.03,66.08 ; 46.63,59.67 46.63,59.08 46.62,59.08 46.6,59.08 ; 27.28,23.33 27.28,23.2 27.7,22.78 33.95,22.78 34.35,23.18 34.35,23.95 34.3,24 ; 53.03,59.67 53.43,59.28 ; 52.23,59.67 53,60.45 53.08,60.45 53.43,60.1 ; 44.95,59.05 45.02,59.05 45.03,59.05 45.03,59.67 ; 52.45,42.88 52.45,43.25 ; 34.3,24.03 34.3,24.65 34.73,25.08 35.6,25.08 36.5,25.98 36.5,26.58 36.23,26.85 29.85,26.85 29.33,26.33 26.9,26.33 26.55,25.98 26.55,25.2 27.2,24.55 ; 70.03,45.05 68.72,45.05 66.3,42.62 60.95,42.62 60.5,42.18 60.5,41.75 60.9,41.35 61.2,41.35 61.33,41.48 66.68,41.48 69.2,44 77.7,44 78.5,44.8 78.5,51.62 79.38,52.5 79.38,53.28 78.38,54.28 73.3,54.28 73.28,54.3 ; 53.83,59.67 54.2,59.3 ; 51.43,59.67 51.85,60.1 51.47,60.48 51.4,60.48 ; 52.23,65.33 52.62,65.73 ; 32.85,23.9 32.9,23.85